# KiCad board NCU.kicad_pcb (continued)
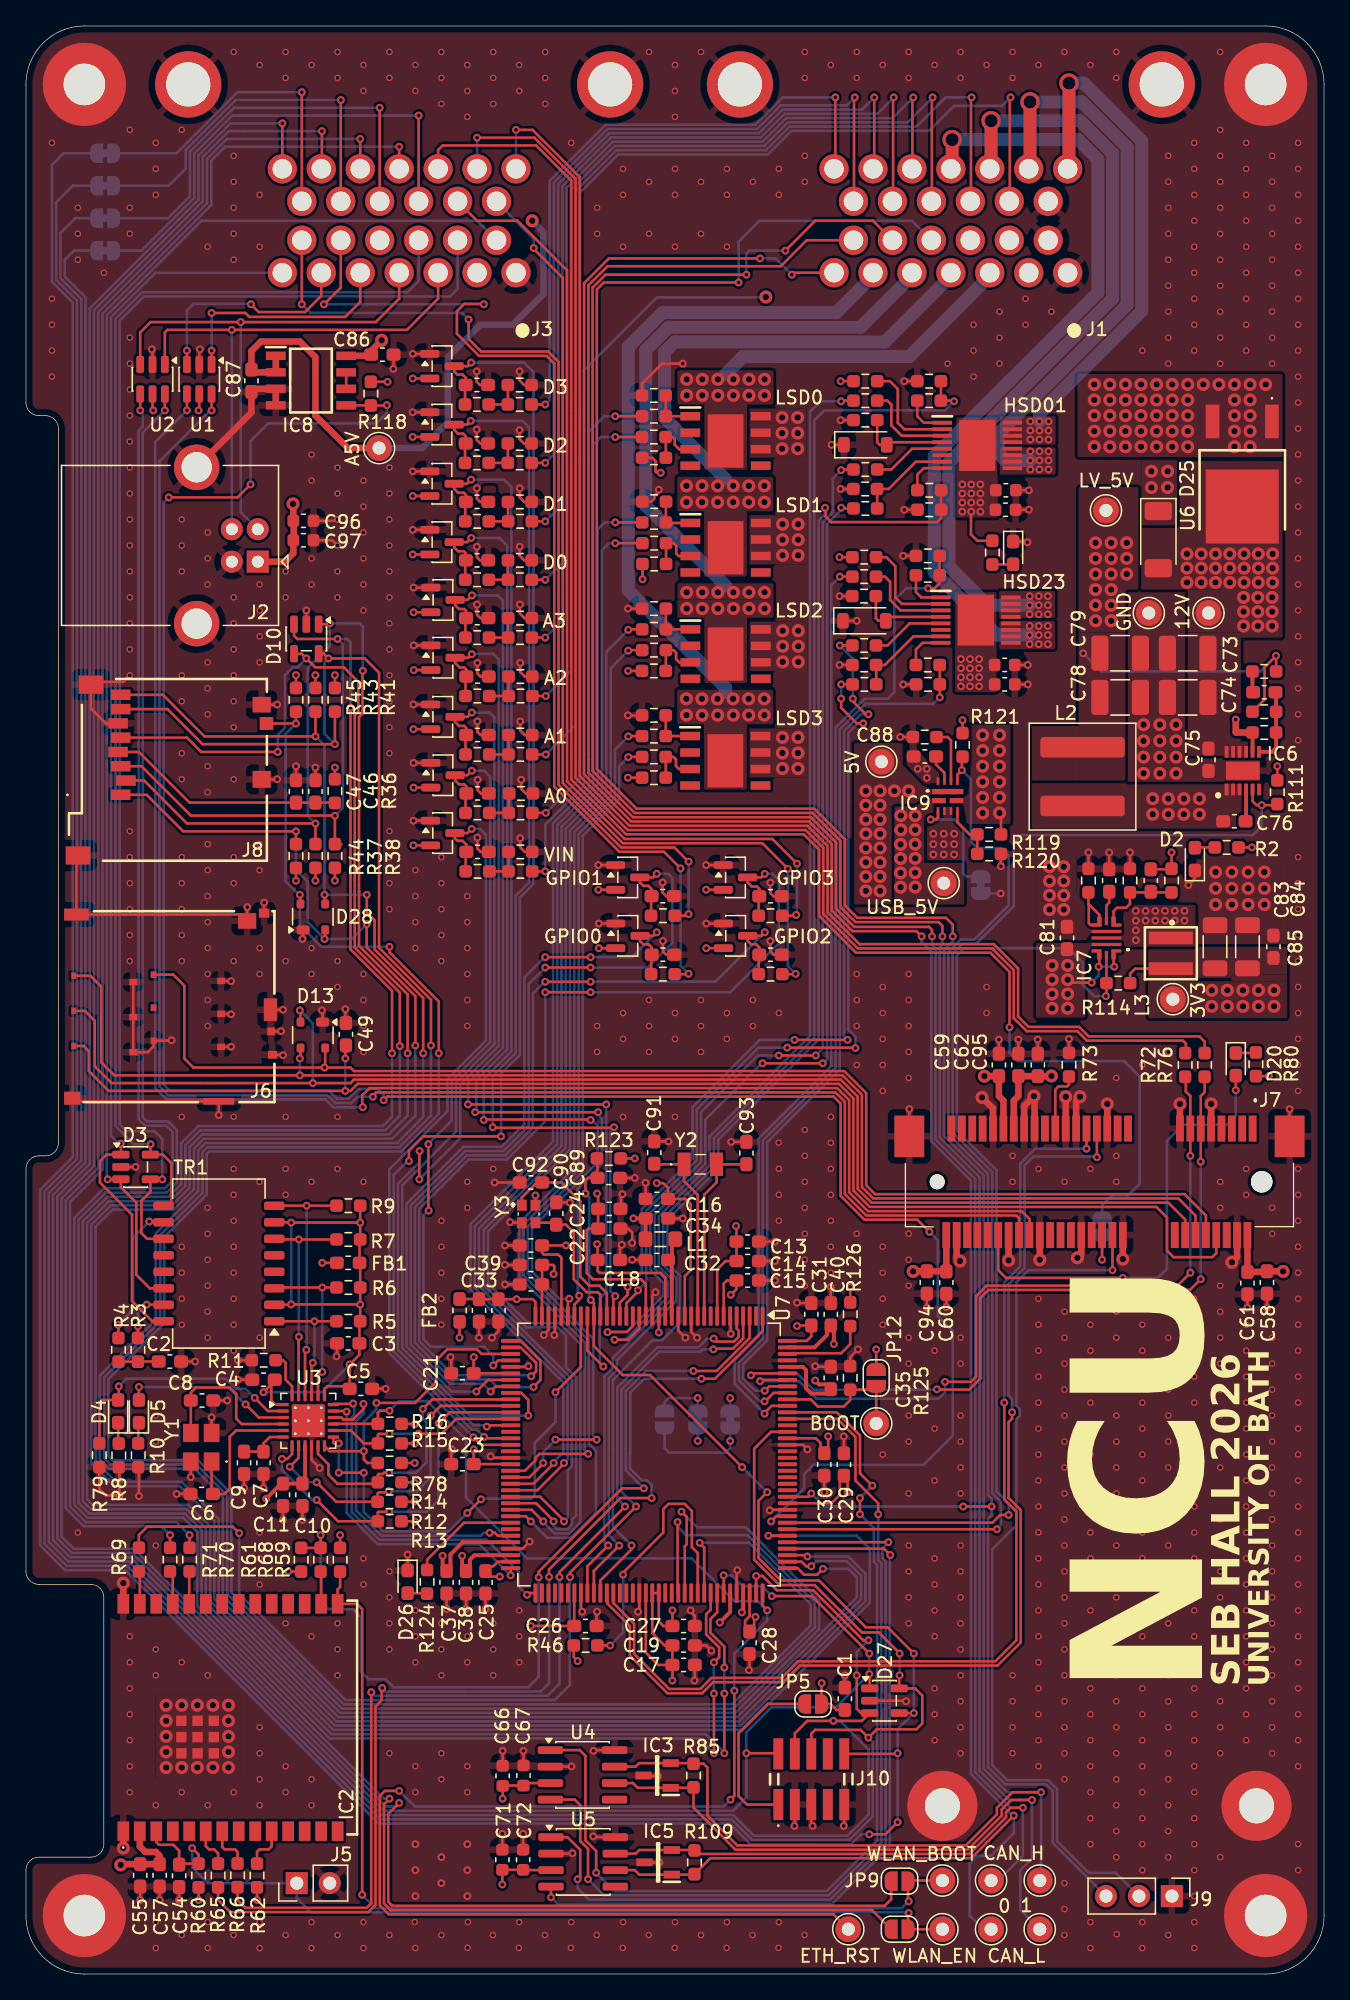
[diagram p0: board, top side]
## Routing (per net, layer and track width the routed paths; a pad name or vN(x,y) marks a point on that pad's centre or on a via; arc(x,y) is an arc through that point) (continued)
/CONN_B/PCIE_RX: length 118.8
  Top w0.2: 89.35,70.91 89.35,71.65 89.13,71.87 81.73,71.87 81,72.6 77.1,72.6 76.1,73.6 76.1,77.3 74.43,78.97 64.07,78.97 61.43,81.62 61.43,86.72 60.06,88.09 46.36,88.09 42.34,92.11 42.34,138.22 39.16,141.4 v3(34.75,141.4)
  Bottom w0.2: v3(34.75,141.4) J3.21
/CONN_B/PCIE_TX: length 118.2
  Top w0.2: v3(37.75,142) 39.03,142 42.67,138.36 42.67,92.24 46.5,88.42 60.19,88.42 61.76,86.85 61.76,81.75 64.21,79.3 74.56,79.3 76.43,77.44 76.43,73.74 77.24,72.93 81.14,72.93 81.86,72.2 90.4,72.2 90.8,71.8 R76.1
  Bottom w0.2: v3(37.75,142) J3.20
/CONN_B/PCIE_USB_DM: length 133.7
  Top w0.2: J7.36 77.3,58.15 76.71,58.74 64.87,58.74 63.42,60.19 63.42,67.29 62.49,68.22 26.47,68.22 25.91,67.66 25.91,66.71 25.9,66.7 ; U1.4 v3(12.4,120.4)
  Bottom w0.2: v3(12.4,120.4) 9.96,117.96 9.96,68.21 10.83,67.34 23.08,67.34 23.68,66.74 25.25,66.74 25.25,66.74 25.01,66.74 25.01,66.74 25.94,66.74 v3(25.95,66.75)
/CONN_B/PCIE_USB_DP: length 131.6
  Top w0.2: J7.38 76.5,58.2 76.29,58.41 64.73,58.41 63.09,60.06 63.09,67.16 62.36,67.89 26.99,67.89 26.72,67.62 v3(26.72,67.55) ; U1.6 v3(14.3,120.4)
  Bottom w0.2: v3(14.3,120.4) 14.2,120.4 10.29,116.49 10.29,68.35 10.96,67.67 23.21,67.67 23.82,67.07 24.98,67.07 24.99,67.07 25.09,67.07 25.31,67.29 25.56,67.55 v3(26.72,67.55)
/CONN_B/STM_SWDCLK: length 214.4
  Top w0.2: J10.4 59.23,18.53 60.19,19.49 v3(62.2,19.49) 64.4,19.49 D27.3 64.34,20.09 64,20.43 v3(64,23) ; U7.107 v3(56.25,30.65) 56.75,30.65 57.85,29.55 60.65,29.55 64.51,25.69 64.89,25.69 v3(64.9,25.7)
  Bottom w0.2: v3(62.2,19.49) 62.71,19.49 64.91,17.29 64.91,12.27 63.29,10.65 56.08,10.65 54.48,12.24 27.43,12.24 7.91,31.76 3.26,31.76 1.76,33.27 1.76,60.13 4.26,62.63 4.26,128.98 2.66,130.58 2.66,134.06 3.8,135.2 JP2.2 ; v3(64.9,25.7) 64,24.8 v3(64,23)
/CONN_B/STM_SWDIO: length 202.1
  Top w0.2: J10.2 57.91,17 v3(55.5,17) ; v3(57.46,29.09) 57.46,29.1 60.54,29.1 v3(64.97,24.68) ; D27.1 65,23.07 v3(64.97,23.1) ; U7.102 v3(53.75,30.7)
  Bottom w0.2: JP1.2 3.7,132.7 2.98,131.98 2.98,130.72 4.58,129.12 4.58,62.49 2.08,59.99 2.08,33.41 3.4,32.09 8.05,32.09 27.57,12.57 54.47,12.57 55.5,13.6 v3(55.5,17) 55.5,18.62 57.43,20.55 62.42,20.55 v3(64.97,23.1) v3(64.97,24.68) ; v3(57.46,29.09) 56.7,29.85 55.2,29.85 54.35,30.7 v3(53.75,30.7)
/CONN_B/STM_SWO: length 232.6
  Top w0.2: 56.33,40.68 56.1,40.45 56.1,31.9 58.05,29.95 60.75,29.95 64.4,26.3 65.7,26.3 67.3,24.7 v3(67.3,24.68) ; J10.6 60.5,18.5 60.8,18.8 64.3,18.8 v3(64.9,18.2) 65.54,18.84 68.6,18.84 69.05,19.29 69.05,21.44 68.5,21.99 D27.5 67.28,22.97 v3(67.3,23) ; 56.25,40.6 57.4,41.75 U7.130
  Bottom w0.2: JP3.2 3.6,137.7 2.33,136.43 2.33,130.44 3.93,128.84 3.93,62.76 1.43,60.26 1.43,33.14 3.14,31.43 7.79,31.43 27.3,11.92 54.35,11.92 55.94,10.32 63.42,10.32 65.24,12.14 65.24,17.86 v3(64.9,18.2) ; v3(67.3,23) v3(67.3,24.68)
/CONN_B/STM_USB_DM: length 167.4
  Top w0.2: U2.4 v3(8.8,120.4) ; 52.7,29.29 U7.100 52.75,28.05 52.4,27.7 52.4,26.15 53.4,25.15 53.4,24.4 v3(53,24) ; v3(53,17) v3(53,21.6)
  Bottom w0.2: v3(8.8,120.4) 9,120.2 9,119.16 8.67,118.84 8.67,65.81 9.16,65.32 10.81,65.32 11.3,64.84 11.3,61.1 10.7,60.5 6,60.5 3.72,58.22 3.72,36.14 4.74,35.13 12.12,35.13 13.2,34.05 13.2,28.33 23.39,18.14 51.86,18.14 v3(53,17) ; v3(53,21.6) v3(53,24)
/CONN_B/STM_USB_DP: length 168.1
  Top w0.2: U7.101 53.25,27.85 52.73,27.33 52.73,26.29 53.8,25.21 v3(53.8,23.6) ; U2.6 v3(10.7,120.4) ; v3(53.8,21.6) v3(53.8,17)
  Bottom w0.2: v3(53.8,17) 53.8,17.05 52.38,18.47 23.53,18.47 13.53,28.47 13.53,34.18 12.26,35.46 4.87,35.46 4.05,36.28 4.05,58.09 6.14,60.17 10.84,60.17 11.63,60.96 11.63,64.97 10.95,65.65 9.3,65.65 9,65.95 9,118.7 v3(10.7,120.4) ; v3(53.8,21.6) v3(53.8,23.6)
/DRIVES/HSD0_CTRL: length 112.7
  Top w0.2: R94.1 R96.1 71.45,121.15 v3(71.5,121.1) ; U7.82 43.75,31.04 v3(45.7,32.99)
  Bottom w0.2: v3(71.5,121.1) 70.8,120.4 61.5,120.4 60.73,119.63 60.73,72.09 53,64.36 53,62.13 49.09,58.22 49.09,54.6 50.08,53.61 50.08,51.82 45.53,47.26 45.53,46.51 44.89,45.88 44.89,33.8 44.9,33.8 45.7,33 v3(45.7,32.99)
/DRIVES/HSD1_CTRL: length 105.4
  Top w0.2: v3(61.56,112.9) 61.6,112.86 61.6,112.23 62.03,111.8 70.2,111.8 70.5,112.1 R95.1 R100.1 ; v3(46.65,33) 46.65,32.7 44.25,30.3 U7.83
  Bottom w0.2: 61.4,112.8 61.46,112.8 v3(61.56,112.9) 61.53,112.87 61.53,112.39 61.06,111.92 61.06,71.96 53.33,64.23 53.33,61.99 49.42,58.08 49.42,54.74 50.41,53.74 50.41,50.21 49,48.8 48.28,48.8 45.22,45.74 45.22,34.43 v3(46.65,33)
/DRIVES/HSD01_EN: length 102.8
  Top w0.2: R97.1 62.85,121.15 v3(62.8,121.1) ; v3(44.85,33) 43.25,31.4 U7.81
  Bottom w0.2: v3(62.8,121.1) 61.2,121.1 60.4,120.3 60.4,72.23 52.67,64.5 52.67,64.47 52.66,64.46 52.66,62.26 48.76,58.36 48.76,54.47 49.76,53.47 49.76,51.98 45.2,47.42 45.2,46.65 44.56,46.01 44.56,33.29 v3(44.85,33)
/DRIVES/HSD01_ISEN: length 79.6
  Top w0.2: v3(45.35,48.84) 46.39,48.84 47.25,49.7 U7.20 ; v3(62.8,112.9) 62.85,112.85 R99.1 ; v3(56.74,70.13) v3(61.39,70.13)
  Bottom w0.2: v3(56.74,70.13) 56.68,70.13 52.33,65.78 52.33,62.39 48.43,58.49 48.43,54.33 49.43,53.34 49.43,52.11 46.16,48.85 45.36,48.85 v3(45.35,48.84) ; v3(61.39,70.13) 61.43,70.13 61.71,70.41 61.71,111.65 62.8,112.74 v3(62.8,112.9)
/DRIVES/HSD01_SEL: length 82
  Top w0.2: R98.1 62.85,115.85 v3(62.8,115.8) ; U7.21 46.75,49.89 46.3,49.44 44.81,49.44 v3(44.8,49.43) ; v3(58,70.73) v3(60.84,70.73)
  Bottom w0.2: v3(62.8,115.8) 62.16,115.16 62.16,113.15 62.16,113.15 62.16,112.65 62.16,112.65 62.16,112.56 61.38,111.78 61.38,71.27 v3(60.84,70.73) ; v3(58,70.73) 56.38,70.73 52.01,66.36 52.01,62.53 48.11,58.63 48.11,54.19 49.1,53.2 49.1,52.25 46.29,49.44 45.1,49.44 45.08,49.43 v3(44.8,49.43)
/DRIVES/HSD2_CTRL: length 76.9
  Top w0.2: U7.136 57.6,44.75 56.95,44.1 v3(56.9,44.1) ; v3(69.5,106.7) 70,106.7 70.39,107.09 R26.1 R24.1
  Bottom w0.2: v3(56.9,44.1) 56.54,44.1 54.92,45.72 54.92,47.08 56.77,48.93 56.77,64.18 62.37,69.78 62.37,95.97 64.6,98.2 66.4,98.2 66.9,98.7 66.9,105.8 67.8,106.7 v3(69.5,106.7)
/DRIVES/HSD3_CTRL: length 68.2
  Top w0.2: R30.1 70.4,100.79 R25.1 v3(70.4,98.3) ; U7.137 57.25,45.25 v3(56.92,44.91)
  Bottom w0.2: 57.1,56.95 57.1,48.8 55.25,46.95 55.25,45.85 56.19,44.91 v3(56.92,44.91) ; 57.1,56.95 57.1,64.05 62.7,69.65 62.7,95.83 64.66,97.8 69.9,97.8 v3(70.4,98.3)
/DRIVES/HSD23_EN: length 71.8
  Top w0.2: R27.1 v3(62.7,107.6) ; U7.134 57.45,43.75 56.9,43.2 v3(56.9,43.15)
  Bottom w0.2: v3(62.7,107.6) 62.04,106.94 62.04,69.92 56.44,64.32 56.44,49.07 54.59,47.22 54.59,45.46 v3(56.9,43.15)
/DRIVES/HSD23_ISEN: length 63.2
  Top w0.2: v3(62.8,98.2) 62.8,97.5 64,96.3 v3(64.5,96.3) ; v3(47.15,52.65) 47.15,52.55 46.25,51.65 U7.22 ; v3(63.9,71.3) 63.75,71.3 63.72,71.33 v3(58.65,71.33) ; R29.1 v3(62.8,99.3)
  Bottom w0.2: v3(63.9,71.3) 63.9,72.17 63.38,72.7 63.35,72.7 63.35,95.56 64.09,96.3 v3(64.5,96.3) ; v3(58.65,71.33) 56.43,71.33 51.68,66.58 51.68,62.66 47.78,58.76 47.78,53.28 v3(47.15,52.65) ; v3(62.8,98.2) v3(62.8,99.3)
/DRIVES/HSD23_SEL: length 66.1
  Top w0.2: v3(59.21,71.93) v3(63.3,71.93) ; v3(63.7,98.2) 63.8,98.1 63.8,97.9 64.7,97 v3(64.9,97) ; v3(46.35,52.9) 46.35,52.3 45.75,51.7 U7.23 ; R28.1 v3(62.7,102.3)
  Bottom w0.2: v3(63.3,71.93) 63.22,71.93 63.02,72.13 63.02,95.7 64.32,96.99 64.89,96.99 v3(64.9,97) ; v3(63.7,98.2) 63.7,101.3 v3(62.7,102.3) ; v3(59.21,71.93) 56.53,71.93 51.35,66.75 51.35,62.8 47.45,58.9 47.45,54 v3(46.35,52.9)
/DRIVES/LSD0_CTRL: length 95.1
  Top w0.2: v3(45.4,119.95) R86.2 ; v3(40.65,39.35) 40.65,39.31 39.09,37.75 U7.59
  Bottom w0.2: v3(45.4,119.95) 44.55,119.95 43.37,118.77 43.37,91.37 40.6,88.6 40.6,64.1 34.24,57.74 34.24,52.7 41.4,45.55 41.4,40.16 40.65,39.41 v3(40.65,39.35)
/DRIVES/LSD0_STAT: length 94.3
  Top w0.2: v3(45.4,118.35) R87.2 ; v3(41.45,39.35) 41.45,39.3 39.4,37.25 U7.60
  Bottom w0.2: v3(45.4,118.35) 44.3,118.35 43.7,117.75 43.7,91.24 40.93,88.47 40.93,63.93 34.57,57.57 34.57,52.84 41.72,45.69 41.72,39.62 v3(41.45,39.35)
/DRIVES/LSD1_CTRL: length 92
  Top w0.2: U7.61 39.6,36.75 41.45,34.9 v3(41.45,34.85) ; v3(45.4,111.77) R20.2
  Bottom w0.2: v3(41.45,34.85) 41.75,35.15 41.75,38.8 42.05,39.1 42.05,45.82 34.9,52.97 34.9,57.4 41.26,63.76 41.26,88.33 44.04,91.12 44.04,111.24 44.57,111.77 v3(45.4,111.77)
/DRIVES/LSD1_STAT: length 92.5
  Top w0.2: U7.62 39.3,36.25 40.65,34.9 v3(40.65,34.85) ; v3(45.4,110.17) R21.2
  Bottom w0.2: v3(40.65,34.85) 40.65,34.5 40.9,34.25 41.7,34.25 42.05,34.6 42.05,34.99 42.38,35.32 42.38,45.96 41.6,46.74 41.6,49.15 40.95,49.8 38.54,49.8 35.27,53.06 35.27,57.31 41.58,63.62 41.58,88.19 44.37,90.98 44.37,109.62 44.92,110.17 v3(45.4,110.17)
/DRIVES/LSD2_CTRL: length 85.3
  Top w0.2: v3(39.85,34.85) 38.95,35.75 U7.63 ; v3(46.4,103.5) 46.44,103.54 R90.2
  Bottom w0.2: v3(39.85,34.85) 39.85,34.8 40.73,33.92 41.83,33.92 42.71,34.79 42.71,48.51 41.08,50.13 38.67,50.13 35.8,53 ; 35.9,52.9 35.6,53.2 35.6,57.17 41.91,63.49 41.91,88.06 44.7,90.84 44.7,101.8 v3(46.4,103.5)
/DRIVES/LSD2_STAT: length 75.2
  Top w0.2: v3(43.31,40.05) 39.55,40.05 39.25,39.75 39.25,39.56 38.44,38.75 U7.57 ; R91.2 46.44,101.94 v3(46.4,101.9)
  Bottom w0.2: v3(46.4,101.9) 45.04,100.54 45.04,90.72 42.24,87.92 42.24,62.08 38,57.84 38,53.68 43.04,48.64 43.04,40.32 v3(43.31,40.05)
/DRIVES/LSD3_CTRL: length 74.6
  Top w0.2: v3(38.9,34.85) 38.5,35.25 U7.64 ; R104.2 46.42,95.32 v3(46.4,95.3)
  Bottom w0.2: v3(46.4,95.3) 45.37,94.27 45.37,90.59 42.57,87.79 42.57,61.94 38.33,57.7 38.33,53.82 43.15,49 43.15,48.99 43.36,48.78 43.36,40.84 43.91,40.3 43.91,35.53 41.97,33.59 40.16,33.59 v3(38.9,34.85)
/DRIVES/LSD3_STAT: length 67.5
  Top w0.2: v3(39.84,39.35) 39.84,39.3 38.79,38.25 U7.58 ; R105.2 46.42,93.72 v3(46.4,93.7) ; v3(40.8,41.15) v3(43.96,41.15)
  Bottom w0.2: v3(46.4,93.7) 45.7,93 45.7,90.45 42.9,87.65 42.9,61.81 38.66,57.56 38.66,53.96 43.48,49.14 43.48,49.13 43.69,48.91 43.69,41.42 v3(43.96,41.15) 43.96,41.29 43.95,41.3 ; v3(39.84,39.35) 39.84,40.19 40.8,41.15 v3(40.8,41.15)
/GPIO/GPIO0_IO: length 60.3
  Top w0.2: R108.2 48.16,78.44 ; v3(34.7,44.85) 35.6,45.75 U7.43 ; v3(40,78.3) v3(43.5,78.3) ; C70.1 48.21,79.04 47.96,79.29 47.56,79.29 47.31,79.54 D24.3 48.32,79.94 v3(48.59,80.22)
  Bottom w0.2: v3(34.7,44.85) 32.8,44.85 29.31,48.34 29.31,59.31 33.7,63.7 36.65,63.7 38.4,65.45 38.4,76.75 39.95,78.3 v3(40,78.3) ; v3(48.59,80.22) 46.68,78.3 v3(43.5,78.3)
/GPIO/GPIO1_IO: length 66.3
  Top w0.2: C44.1 48.19,83.55 47.96,83.79 47.56,83.79 47.29,84.05 D8.3 48.32,84.44 v3(48.59,84.72) ; U7.44 36.2,45.25 v3(35.8,44.85) ; R34.2 48.16,82.96 ; v3(43.5,77.5) v3(40,77.5)
  Bottom w0.2: v3(40,77.5) 38.73,76.23 38.73,65.31 36.79,63.37 33.84,63.37 29.64,59.18 29.64,48.48 32.66,45.45 35.2,45.45 v3(35.8,44.85) ; v3(43.5,77.5) 47.9,77.5 49.8,79.4 49.8,84.4 49.48,84.72 v3(48.59,84.72)
/GPIO/GPIO2_IO: length 72.8
  Top w0.2: C45.1 56.49,79.05 56.26,79.29 55.86,79.29 55.61,79.54 D9.3 56.64,79.94 v3(56.92,80.22) ; U7.37 38.11,48.75 39.63,47.23 39.63,45.73 v3(39.1,45.2) ; R35.2 56.44,78.44 ; v3(43.5,76.4) v3(40,76.4)
  Bottom w0.2: v3(56.92,80.22) 53.11,76.41 43.51,76.41 v3(43.5,76.4) ; v3(40,76.4) 39.95,76.4 39.06,75.51 39.06,65.18 36.92,63.04 33.97,63.04 29.97,59.04 29.97,48.61 32.8,45.78 35.72,45.78 36.3,45.2 v3(39.1,45.2)
/GPIO/GPIO3_IO: length 76.8
  Top w0.2: v3(43.5,75.6) v3(40,75.6) ; U7.38 38.11,48.25 39.3,47.06 39.3,46.41 v3(38.92,46.03) ; v3(56.91,84.71) 56.64,84.44 D22.3 55.59,84.05 55.91,83.74 56.31,83.74 56.49,83.55 C65.1 ; R84.2 56.44,82.94
  Bottom w0.2: v3(40,75.6) 40,65.66 37.06,62.72 34.11,62.72 30.3,58.9 30.3,48.75 ; v3(38.92,46.03) 38.84,46.11 32.94,46.11 30.32,48.72 ; v3(56.91,84.71) 57.52,84.71 58,84.23 58,79.35 54.25,75.6 44.1,75.6 44.1,75.6 43.5,75.6 v3(43.5,75.6) 43.6,75.5
/INPUTS/AIN0_IO: length 60.2
  Top w0.2: v3(31.02,58.78) 31,58.8 v3(31,63.9) ; U7.40 36.39,47.25 v3(36,46.86) ; R49.2 33.86,90.84 C50.1 33.92,91.44 33.76,91.61 33.36,91.61 33.06,91.91 D14.3 34,92.31 v3(34.35,92.66)
  Bottom w0.2: v3(34.35,92.66) 35.3,92.66 35.76,92.2 35.76,71.74 32.8,68.78 32.8,65.72 31,63.93 v3(31,63.9) ; v3(31.02,58.78) 30.98,58.78 30.62,58.42 30.62,48.88 31.21,48.3 35.3,48.3 36,47.6 v3(36,46.86)
/INPUTS/AIN1_IO: length 73
  Top w0.2: R19.2 33.86,95.36 C12.1 33.91,95.96 33.76,96.11 33.36,96.11 33.05,96.42 D6.3 34.02,96.81 v3(34.35,97.13) ; v3(38.7,43) 38.7,44.2 38.15,44.75 U7.45
  Bottom w0.2: v3(34.35,97.13) 35.72,97.13 36.09,96.76 36.09,71.6 33.13,68.64 33.13,64.86 30.06,61.8 30.06,61.8 29.71,61.44 29.71,61.44 28.98,60.72 28.98,48.2 34.19,43 v3(38.7,43)
/INPUTS/AIN2_IO: length 79
  Top w0.2: v3(35.5,42.15) 35.6,42.25 U7.50 ; R42.2 33.86,99.84 ; C48.1 33.92,100.44 33.76,100.61 33.41,100.61 33.06,100.96 D11.3 34.07,101.36 v3(34.34,101.63) ; v3(30.32,63.38) 30.3,63.35 30.3,61.2 v3(30.31,61.19)
  Bottom w0.2: v3(30.32,63.38) 30.3,63.35 30.3,62.5 28.66,60.86 28.66,48.07 34.47,42.25 35.4,42.25 v3(35.5,42.15) ; v3(34.34,101.63) 34.36,101.65 36,101.65 36.42,101.23 36.42,71.47 33.46,68.51 33.46,64.36 30.31,61.21 v3(30.31,61.19)
/INPUTS/AIN3_IO: length 82.9
  Top w0.2: v3(34.36,106.16) 34.01,105.81 D15.3 33.06,105.41 33.36,105.11 33.76,105.11 33.9,104.97 C51.1 ; v3(34.06,66.96) v3(44.7,66.96) ; U7.28 43.25,48 v3(44.48,46.78) ; R52.2 33.85,104.36
  Bottom w0.2: v3(34.06,66.96) 34.06,68.64 36.74,71.33 36.74,105.76 36.34,106.16 v3(34.36,106.16) ; v3(44.48,46.78) 44.2,47.05 44.2,52 44.7,52.5 v3(44.7,66.96)
/INPUTS/DIN0_IO: length 78.9
  Top w0.2: v3(42.61,52.24) 42.61,51.91 42.25,51.55 U7.30 ; v3(34.3,110.58) 33.98,110.26 D18.3 32.99,109.86 33.29,109.56 33.74,109.56 33.89,109.41 C56.1 ; v3(44.08,66.36) v3(34.6,66.36) ; R67.2 33.84,108.81
  Bottom w0.2: v3(42.61,52.24) 42.5,52.35 42.5,60.48 44.37,62.35 44.37,65.87 44.08,66.16 v3(44.08,66.36) ; v3(34.6,66.36) 34.7,66.46 34.7,68.82 37.07,71.19 37.07,109.98 36.47,110.58 v3(34.3,110.58)
/INPUTS/DIN1_IO: length 85.4
  Top w0.2: v3(41.85,52) 41.75,51.9 U7.31 ; 38.1,65.8 43.46,65.8 v3(43.5,65.76) ; 38.2,65.8 35.31,65.8 v3(35.27,65.76) ; C52.1 33.89,113.91 33.74,114.06 33.29,114.06 32.99,114.36 D16.3 33.98,114.76 v3(34.29,115.07) ; R55.2 33.84,113.31
  Bottom w0.2: v3(43.5,65.76) 43.65,65.61 43.77,65.61 44.04,65.33 44.04,62.49 38.98,57.43 38.98,54.09 41.08,52 v3(41.85,52) ; v3(35.27,65.76) 35.27,68.93 37.4,71.06 37.4,114.5 36.83,115.07 v3(34.29,115.07)
/INPUTS/DIN2_IO: length 88.9
  Top w0.2: v3(45.3,65.2) 45.26,65.16 36,65.16 v3(35.96,65.2) ; v3(34.27,119.59) 33.99,119.31 D17.3 32.99,118.91 33.29,118.61 33.69,118.61 33.88,118.42 C53.1 ; U7.24 45.25,52.05 v3(45.4,52.2) ; R58.2 33.83,117.81
  Bottom w0.2: v3(34.27,119.59) 38.27,119.59 38.75,119.11 38.75,84.05 37.73,83.03 37.73,70.92 35.96,69.16 v3(35.96,65.2) ; v3(45.3,65.2) 45.03,64.93 45.03,52.57 v3(45.4,52.2)
/INPUTS/DIN3_IO: length 105.3
  Top w0.2: v3(35.28,41.36) 35.39,41.25 U7.52 ; C63.1 33.88,122.92 33.64,123.16 33.24,123.16 32.99,123.41 D19.3 34.02,123.81 v3(34.29,124.08) ; v3(36.6,64.5) 30.6,64.5 29.5,63.4 v3(29.5,62.6) ; R77.2 33.83,122.31
  Bottom w0.2: v3(29.5,62.6) 29.4,62.6 28.33,61.53 28.33,47.93 34.34,41.92 34.72,41.92 35.08,41.57 v3(35.28,41.36) ; v3(36.6,64.5) 36.6,69.33 38.06,70.79 38.06,82.89 39.08,83.92 39.08,85.13 39.1,85.16 39.1,123.36 38.38,124.08 v3(34.29,124.08)
/MCU/CAN0_RX: length 59.5
  Top w0.2: v3(66.58,32.27) 66.1,32.75 U7.112 ; U5.4 v3(40.45,5.9)
  Bottom w0.2: 66.55,32.23 66.55,9.85 62.11,5.41 40.94,5.41 v3(40.45,5.9)
/MCU/CAN0_TX: length 62.9
  Top w0.2: v3(42.5,7.3) 42.7,7.5 42.7,9.55 41.71,10.54 U5.1 ; v3(66.44,33.25) U7.113
  Bottom w0.2: v3(66.44,33.25) 65.98,32.79 65.98,32.02 66.22,31.78 66.22,9.99 61.97,5.73 43.37,5.73 42.5,6.6 v3(42.5,7.3)
/MCU/CAN1_RX: length 71.1
  Top w0.2: v3(65.65,35.4) 65.65,36.25 63.9,38 63.9,41.35 62.5,42.75 U7.132 ; U4.4 42.27,13.43 42.7,13 42.7,10.24 43.3,9.64 v3(43.3,7.3)
  Bottom w0.2: v3(65.65,35.4) 65.65,35 65.65,35 65.65,31.88 65.89,31.64 65.89,10.12 61.83,6.06 44.54,6.06 v3(43.3,7.3)
/MCU/CAN1_TX: length 74.9
  Top w0.2: v3(65.2,37.6) 64.25,38.55 64.25,41.46 62.46,43.25 U7.133 ; U4.1 42.66,17.24 43.1,16.8 43.1,10.3 43.93,9.47 v3(43.93,7.8) ; v3(64.25,36.65) v3(64.25,35.4)
  Bottom w0.2: v3(43.93,7.8) 43.93,7.77 45.31,6.39 61.7,6.39 65.57,10.26 65.57,31.51 65.33,31.75 65.33,34.32 v3(64.25,35.4) ; v3(65.2,37.6) v3(64.25,36.65)
/MCU/ESP_SPI_CLK: length 85.3
  Top w0.2: R65.1 14.8,5.7 15.73,4.77 26.38,4.77 26.93,5.31 26.93,20.6 27.4,21.07 27.4,21.98 v3(27.44,22.02) ; v3(52.03,45.84) 53.08,45.84 56.75,49.51 U7.1 ; v3(48.2,36.65) 45.8,36.65 40.29,31.14 v3(40.29,30.57)
  Bottom w0.2: v3(48.2,36.65) 48.2,37.15 48.2,37.15 48.2,37.65 47.85,38 47.46,38 46.53,38.93 46.53,40.1 46.55,40.12 46.55,44.76 47.63,45.84 51.16,45.84 51.16,45.84 51.66,45.84 51.66,45.84 v3(52.03,45.84) ; v3(40.29,30.57) 40.3,30.57 40.3,22.4 39.65,21.75 27.5,21.75 27.4,21.85 27.4,21.98 v3(27.44,22.02)
/MCU/ESP_SPI_CS: length 69.8
  Top w0.2: v3(39.49,30.55) 39.49,30.98 45.91,37.4 v3(47.6,37.4) ; U7.3 55.75,48.97 53.21,46.44 v3(51.41,46.44) ; v3(22.7,33.8) R68.1 R61.2
  Bottom w0.2: v3(39.49,30.55) 39.49,22.88 38.69,22.08 28.32,22.08 27.7,22.7 26.4,22.7 25.8,23.3 25.8,27.5 25.2,28.1 23.3,28.1 22.7,28.7 v3(22.7,33.8) ; v3(47.6,37.4) 46.2,38.8 46.2,44.88 47.77,46.44 v3(51.41,46.44)
/MCU/ESP_SPI_MISO: length 81.3
  Top w0.2: U7.4 55.25,48.94 54.46,48.15 53,48.15 v3(52.95,48.1) ; v3(16.42,33.95) 15.92,34.45 9.35,34.45 8.7,33.8 R69.2 ; v3(41.91,30.57) 41.91,30.91 v3(47,36)
  Bottom w0.2: v3(16.42,33.95) 16.42,29.28 24.61,21.1 40.75,21.1 41.9,22.25 41.9,30.56 v3(41.91,30.57) ; v3(47,36) 45.88,37.12 45.88,45.01 48.79,47.92 51.94,47.92 52.12,48.1 v3(52.95,48.1)
/MCU/ESP_SPI_MOSI: length 80.9
  Top w0.2: v3(26.6,21.7) 26.6,5.45 26.25,5.1 16.9,5.1 16.3,5.7 R66.1 ; 52.99,48.91 53.2,48.7 54.55,48.7 54.9,49.05 54.9,49.55 54.75,49.7 U7.5 ; v3(46.15,36) 46.15,35.99 41.1,30.94 v3(41.1,30.57)
  Bottom w0.2: v3(26.6,21.7) 26.87,21.42 40.17,21.42 41.1,22.35 41.1,30.57 v3(41.1,30.57) ; v3(52.99,48.92) 52.48,48.92 51.81,48.25 48.65,48.25 45.55,45.15 45.55,36.6 v3(46.15,36)
/MCU/ETH_CRS_DV: length 22.8
  Top w0.2: v3(30.58,43.52) 30.7,43.64 30.7,43.65 31.05,44 31.06,44 31.31,44.25 U7.46 ; v3(27.98,38.6) 27.59,38.6 27.49,38.5 27.18,38.5 27.11,38.43 R14.2 26.99,37.75 24,37.75 23.3,38.45 23.3,39.25 22.5,40.05 U3.11
  Bottom w0.2: v3(27.98,38.6) 30.05,38.6 30.85,39.4 30.85,42.48 30.58,42.75 30.58,43.24 30.72,43.38 v3(30.58,43.52)
/MCU/ETH_INT: length 15.2
  Top w0.2: v3(30.25,41.6) 32,41.6 33.15,42.75 U7.49 ; v3(28,41.6) 27.99,41.59 27.19,41.59 27.11,41.51 R15.2 26.03,40.86 25.04,41.85 U3.14
  Bottom w0.2: v3(28,41.6) v3(30.25,41.6)
/MCU/ETH_MDC: length 38.3
  Top w0.2: v3(35.05,36.55) v3(34,35.5) ; U3.13 23.69,40.91 23.74,40.86 v3(24.1,40.86) ; v3(24.1,38.6) v3(26.03,38.6) ; U7.29 42.75,46.75 v3(40.8,44.8)
  Bottom w0.2: v3(34,35.5) 32.58,34.08 27.52,34.08 26.03,35.57 v3(26.03,38.6) ; v3(40.8,44.8) 40.8,42.5 39.2,40.9 39.2,36.9 38.9,36.6 35.1,36.6 v3(35.05,36.55) ; v3(24.1,40.86) v3(24.1,38.6)
/MCU/ETH_MDIO: length 22.3
  Top w0.2: v3(27,43.97) 29.97,43.97 31.6,45.6 31.6,47.25 32.45,48.1 34.75,48.1 35.1,47.75 U7.39 ; U3.12 23.4,40.26 v3(26.03,40.26) 26.03,39.62 26.3,39.35 R78.2
  Bottom w0.2: v3(26.03,40.26) 26.03,42.53 27,43.5 v3(27,43.97)
/MCU/ETH_RST: length 134.3
  Top w0.2: TP20.1 62.21,4.59 27.96,4.59 27.26,5.29 27.26,13.71 27.65,14.1 v3(28.75,14.1) ; U3.15 23.7,42.36 R16.2 27.11,43.21 27.28,43.38 v3(28.01,43.38) ; v3(54.57,21.81) 54.57,13.72 v3(54.28,13.43) ; U7.108 56.75,28.35 v3(57.1,28)
  Bottom w0.2: v3(54.28,13.43) 53.75,12.9 29.95,12.9 v3(28.75,14.1) ; v3(28.01,43.38) 28.75,44.12 30.93,44.12 33.9,41.15 33.9,36.7 38.6,32 51.3,32 54.6,28.7 56.4,28.7 v3(57.1,28) 57.1,27.2 54.57,24.67 v3(54.57,21.81)
/MCU/ETH_RXD0: length 26.2
  Top w0.2: U3.8 21,39.74 v3(20.33,39.06) ; U7.47 31.95,43.75 31.2,43 31.18,43 v3(31.18,42.99) ; v3(27.95,37.18) 27.85,37.09 27.18,37.09 27.09,37 R12.2 23.9,36.36 v3(22.4,37.86)
  Bottom w0.2: v3(27.95,37.18) 30.12,37.18 31.18,38.24 31.18,42.99 v3(31.18,42.99) ; v3(20.33,39.06) 21.53,37.86 v3(22.4,37.86)
/MCU/ETH_RXD1: length 29
  Top w0.2: v3(22.4,36.5) 24.04,34.86 R13.2 27.11,35.53 27.17,35.59 27.97,35.59 v3(27.98,35.6) ; U7.48 32.65,43.25 v3(31.8,42.4) ; U3.7 20.5,40.04 20.12,39.66 v3(19.72,39.66)
  Bottom w0.2: v3(22.4,36.5) 22.04,36.5 19.72,38.81 v3(19.72,39.66) ; v3(27.98,35.6) 30.9,35.6 31.78,36.48 31.78,42.38 v3(31.8,42.4)
/MCU/ETH_TXD0: length 24
  Top w0.2: v3(37.34,30.7) U7.72 ; v3(24.7,43.3) 24.65,43.35 U3.17
  Bottom w0.2: v3(37.34,30.7) 34.94,33.1 27.1,33.1 24.7,35.5 v3(24.7,43.3)
/MCU/ETH_TXD1: length 27.5
  Top w0.2: v3(25.2,43.92) 25.18,43.9 23.74,43.9 U3.18 ; U7.73 38.74,29.34 v3(38.6,29.2)
  Bottom w0.2: v3(38.6,29.2) 37.95,29.85 37.95,30.95 35.47,33.43 27.24,33.43 25.1,35.56 25.1,42.85 25.3,43.05 25.3,43.82 v3(25.2,43.92)
/MCU/ETH_TXEN: length 24.5
  Top w0.2: U3.16 24.3,42.85 24.45,42.7 25.2,42.7 26,43.5 v3(26,43.9) ; v3(35.72,33.98) 35.73,33.98 35.75,34 36.1,34 36.35,33.75 U7.67
  Bottom w0.2: v3(35.72,33.98) 35.28,33.98 35.06,33.76 27.37,33.76 25.43,35.7 25.43,42.58 26,43.15 v3(26,43.9)
/MCU/LV_PG: length 97.4
  Top w0.2: v3(74.8,34.25) U7.115 ; R111.1 96.31,90 v3(95.2,90) 94.8,90 94.49,90.31 IC6.5
  Bottom w0.2: v3(95.2,90) 95.2,88.4 94.5,87.7 76.7,87.7 76.1,87.1 76.1,82.24 73.19,79.32 72.15,79.32 71.38,78.56 71.38,64.82 74.44,61.76 74.44,37.02 75.1,36.36 75.1,34.55 v3(74.8,34.25)
/MCU/PCIE_UART_CTS: length 84.3
  Top w0.2: J7.23 v3(82.5,62.9) ; U7.84 44.8,29.29 44.8,28.52 46.52,26.79 46.52,24.51 49.41,21.62 52.09,21.62 52.94,22.47 58.32,22.47 59.6,23.75 74.85,23.75 76.6,25.5 76.6,25.54 76.63,25.57 76.63,35.73 75.7,36.67 75.7,42.5 75.97,42.77 v3(75.97,43.25)